# KiCad board armory.kicad_pcb (continued)
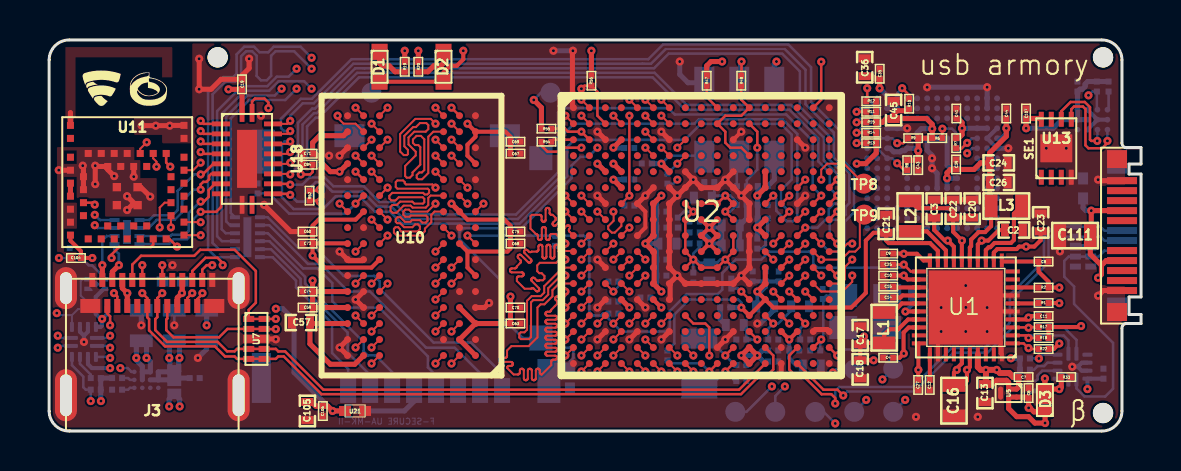
[diagram p0: board, top side]
## Routing (per net, layer and track width the routed paths; a pad name or vN(x,y) marks a point on that pad's centre or on a via; arc(x,y) is an arc through that point) (continued)
/DDR/DRAM_A2: length 34
  TOP w0.1: U2.K1 26.2,9.01 25.78,9.01 25.69,8.92 25.56,8.92 25.48,9 25.48,9.22 25.48,9.25 25.47,9.27 25.46,9.29 25.44,9.3 25.42,9.31 25.4,9.32 25.38,9.32 25.36,9.32 25.34,9.31 25.32,9.3 25.3,9.29 25.29,9.27 25.28,9.25 25.28,9.22 25.28,8.74 25.28,8.71 25.27,8.69 25.26,8.67 25.24,8.66 25.22,8.65 25.2,8.64 25.18,8.64 25.16,8.64 25.14,8.65 25.12,8.66 25.1,8.67 25.09,8.69 25.08,8.71 25.08,8.74 25.08,9.22 25.08,9.25 25.07,9.27 25.06,9.29 25.04,9.3 25.02,9.31 25,9.32 24.98,9.32 24.96,9.32 24.94,9.31 24.92,9.3 24.9,9.29 24.89,9.27 24.88,9.25 24.88,9.22 24.88,8.74 24.88,8.71 24.87,8.69 24.86,8.67 24.84,8.66 24.82,8.65 24.8,8.64 24.78,8.64 24.76,8.64 24.74,8.65 24.72,8.66 24.7,8.67 24.69,8.69 24.68,8.71 24.68,8.74 24.68,9.22 24.68,9.25 24.67,9.27 24.66,9.29 24.64,9.3 24.62,9.31 24.6,9.32 24.58,9.32 24.56,9.32 24.54,9.31 24.52,9.3 24.5,9.29 24.49,9.27 24.48,9.25 24.48,9.22 24.48,9.08 24.48,9.06 24.47,9.04 24.46,9.02 24.44,9 24.42,8.99 24.4,8.98 24.38,8.98 24.14,8.98 24.12,8.97 24.1,8.96 24.08,8.95 24.06,8.95 24.04,8.96 24.02,8.97 24,8.98 23.93,9.05 23.92,9.06 23.9,9.07 23.87,9.07 23.85,9.07 23.83,9.07 23.81,9.06 23.79,9.05 23.78,9.03 23.77,9.01 23.76,8.99 23.76,8.96 23.77,8.94 23.78,8.92 23.79,8.9 24.1,8.6 24.11,8.58 24.12,8.56 24.13,8.54 24.13,8.51 24.12,8.49 24.11,8.47 24.1,8.45 24.08,8.44 24.06,8.43 24.04,8.43 24.02,8.43 24,8.43 23.98,8.44 23.96,8.45 23.61,8.8 23.6,8.81 23.58,8.82 23.56,8.83 23.53,8.83 23.51,8.82 23.49,8.81 23.47,8.8 23.46,8.78 23.45,8.76 23.44,8.74 23.44,8.72 23.45,8.69 23.46,8.67 23.47,8.66 23.57,8.56 23.59,8.54 23.6,8.52 23.6,8.5 23.6,8.47 23.6,8.45 23.59,8.43 23.57,8.41 23.4,8.24 23.4,8.22 23.39,8.2 23.38,8.18 23.36,8.16 23.34,8.15 23.32,8.14 23.3,8.14 23.16,8.14 23.13,8.14 23.11,8.13 23.09,8.12 23.08,8.1 23.07,8.08 23.06,8.06 23.06,8.04 23.06,8.02 23.07,8 23.08,7.98 23.09,7.96 23.11,7.95 23.13,7.94 23.16,7.94 23.64,7.94 23.67,7.94 23.69,7.93 23.71,7.92 23.72,7.9 23.73,7.88 23.74,7.86 23.74,7.84 23.74,7.82 23.73,7.8 23.72,7.78 23.71,7.76 23.69,7.75 23.67,7.74 23.64,7.74 23.5,7.74 23.48,7.74 23.46,7.73 23.44,7.72 23.42,7.7 23.41,7.68 23.4,7.66 23.4,7.64 23.4,7.51 23.79,7.12 24.11,7.12 24.13,7.13 24.15,7.14 24.17,7.15 24.19,7.15 24.21,7.14 24.23,7.13 24.25,7.12 24.35,7.02 24.37,7.01 24.39,7 24.41,6.99 24.43,6.99 24.46,7 24.48,7.01 24.49,7.02 24.51,7.04 24.52,7.06 24.52,7.08 24.52,7.1 24.52,7.12 24.51,7.14 24.49,7.16 24.15,7.5 24.14,7.52 24.13,7.54 24.12,7.56 24.12,7.59 24.13,7.61 24.14,7.63 24.15,7.65 24.17,7.66 24.19,7.67 24.21,7.67 24.23,7.67 24.25,7.67 24.27,7.66 24.29,7.65 24.39,7.54 24.41,7.53 24.43,7.52 24.45,7.52 24.47,7.52 24.5,7.52 24.52,7.53 24.53,7.54 24.7,7.54 24.78,7.62 24.78,7.76 24.64,7.9 24.52,7.9 24.42,8 24.42,8.29 24.55,8.42 25.37,8.42 25.53,8.58 v1(25.83,8.58) ; v1(19.33,14.58) U10.P3
  SIGNAL_2 w0.1: v1(19.33,14.58) 19.48,14.43 19.48,14.25 19.38,14.15 19.2,14.15 19.13,14.08 19.05,14.08 18.93,14.2 18.93,14.63 18.98,14.68 18.98,14.91 18.93,14.96 18.81,14.96 18.73,14.88 18.73,14.08 18.63,13.98 18.46,13.98 18.41,14.03 18.41,14.12 18.52,14.23 18.52,15.31 18.71,15.5 18.86,15.5 18.97,15.39 18.97,15.24 19.26,14.95 19.48,14.95 19.73,14.7 19.73,14.46 20.01,14.18 20.27,14.18 20.55,13.9 20.55,13.6 20.77,13.38 21.39,13.38 21.58,13.19 22.38,13.19 23.64,11.93 23.64,11.02 24.19,10.46 24.19,10.46 25.04,9.61 25.55,9.61 25.72,9.78 26.82,9.78 27,9.6 27,9.14 26.84,8.98 U2.K1 v1(25.83,8.58)
/DDR/DRAM_A3: length 34
  TOP w0.1: v1(20.13,13.78) U10.N2 ; U2.M2 v1(26.63,6.98)
  SIGNAL_2 w0.1: v1(20.13,13.78) 19.72,13.37 19.22,13.37 19.01,13.58 18.99,13.58 18.97,13.57 18.95,13.56 18.93,13.54 18.92,13.52 18.91,13.5 18.91,13.48 18.91,13.31 18.91,13.29 18.9,13.27 18.89,13.25 18.87,13.24 18.85,13.22 18.83,13.22 18.81,13.21 18.79,13.22 18.77,13.22 18.75,13.24 18.73,13.25 18.72,13.27 18.71,13.29 18.71,13.31 18.71,13.48 18.71,13.5 18.7,13.52 18.69,13.54 18.67,13.56 18.65,13.57 18.63,13.58 18.61,13.58 18.2,13.58 18.2,13.57 18.19,13.56 18.19,13.55 18.19,13.54 18.19,13.53 18.2,13.52 18.21,13.5 18.21,13.49 18.22,13.48 18.22,13.47 18.21,13.46 18.21,13.45 18.2,13.44 18.13,13.37 18.12,13.36 18.11,13.36 18.1,13.35 18.09,13.35 18.08,13.36 18.07,13.36 18.05,13.37 18.04,13.38 18.03,13.38 18.02,13.38 18.01,13.38 18,13.37 17.99,13.37 17.69,13.07 17.69,13.06 17.69,13.05 17.7,13.04 17.71,13.03 17.72,13.02 17.73,13.02 17.75,13.02 17.76,13.01 17.77,13.01 17.78,13 17.79,12.99 17.79,12.98 17.79,12.97 17.79,12.87 17.79,12.86 17.79,12.85 17.78,12.84 17.77,12.83 17.76,12.82 17.75,12.82 17.73,12.82 17.72,12.81 17.71,12.81 17.7,12.8 17.69,12.79 17.69,12.78 17.69,12.77 17.69,12.76 17.69,12.75 17.7,12.74 17.71,12.73 17.72,12.72 17.73,12.72 17.75,12.72 17.76,12.71 17.77,12.71 17.78,12.7 17.79,12.69 17.79,12.68 17.79,12.67 17.79,12.57 17.79,12.56 17.79,12.55 17.78,12.54 17.77,12.53 17.76,12.52 17.75,12.52 17.73,12.52 17.72,12.51 17.71,12.51 17.7,12.5 17.69,12.49 17.69,12.48 17.69,12.47 17.69,12.12 17.18,11.61 15.82,11.61 15.71,11.5 15.71,11.27 15.82,11.16 16.14,11.16 16.33,11.35 17.25,11.35 17.69,10.91 17.69,10.88 17.7,10.86 17.71,10.84 17.73,10.83 17.75,10.82 17.77,10.81 17.79,10.81 17.99,10.81 18.01,10.8 18.03,10.8 18.05,10.78 18.07,10.77 18.08,10.75 18.09,10.73 18.09,10.71 18.09,10.68 18.08,10.66 18.07,10.64 18.05,10.63 18.03,10.62 18.01,10.61 17.99,10.61 17.79,10.61 17.77,10.6 17.75,10.6 17.73,10.58 17.71,10.57 17.7,10.55 17.69,10.53 17.69,10.51 17.69,10.18 17.86,10.01 17.88,10.01 17.9,10.02 17.92,10.03 17.94,10.05 17.95,10.07 17.96,10.09 17.96,10.11 17.96,10.21 17.96,10.23 17.97,10.25 17.98,10.27 18,10.29 18.02,10.3 18.04,10.31 18.06,10.31 18.08,10.31 18.1,10.3 18.12,10.29 18.14,10.27 18.15,10.25 18.16,10.23 18.16,10.21 18.16,10.11 18.16,10.09 18.17,10.07 18.18,10.05 18.2,10.03 18.22,10.02 18.24,10.01 18.26,10.01 18.7,10.01 18.72,10.03 18.73,10.05 18.73,10.07 18.73,10.09 18.73,10.11 18.72,10.13 18.7,10.15 18.56,10.29 18.55,10.31 18.54,10.33 18.53,10.35 18.53,10.37 18.54,10.4 18.55,10.42 18.56,10.43 18.58,10.45 18.6,10.46 18.62,10.46 18.64,10.46 18.66,10.46 18.68,10.45 18.7,10.43 18.84,10.29 18.86,10.28 18.88,10.27 18.9,10.26 18.92,10.26 18.95,10.27 18.97,10.28 18.98,10.29 19,10.31 19.01,10.33 19.01,10.35 19.01,10.37 19.01,10.4 19,10.42 18.98,10.43 18.84,10.58 18.83,10.59 18.82,10.61 18.81,10.64 18.81,10.66 18.82,10.68 18.83,10.7 18.84,10.72 18.86,10.73 18.88,10.74 18.9,10.75 18.92,10.75 18.95,10.74 18.97,10.73 18.98,10.72 19.13,10.58 19.14,10.56 19.16,10.55 19.19,10.55 19.21,10.55 19.23,10.55 19.25,10.56 19.27,10.58 19.44,10.75 20.28,10.75 20.53,11 20.53,11.63 20.41,11.75 20.29,11.75 20.09,11.95 20.09,12.31 20.35,12.57 21.05,12.57 21.24,12.38 22.06,12.38 22.81,11.63 22.81,9.26 22.36,8.81 22.36,8.63 22.43,8.56 23.41,8.56 23.68,8.29 23.68,6.86 23.83,6.71 24.13,6.71 24.6,7.18 25.51,7.18 25.71,7.38 26.84,7.38 27.02,7.56 27.02,7.79 27.2,7.97 27.44,7.97 27.6,7.81 27.6,7.59 26.99,6.98 v1(26.63,6.98)
/DDR/DRAM_A4: length 35.2
  TOP w0.1: v1(28.23,8.58) U2.K4 ; U10.P8 v1(16.13,14.58)
  SIGNAL_2 w0.1: v1(16.13,14.58) 15.11,14.58 14.07,15.62 14.07,17.55 14.91,18.39 29.67,18.39 30.03,18.03 30.03,17.46 29.39,16.82 29.39,13.36 29.39,13.34 29.4,13.32 29.41,13.3 29.43,13.28 29.45,13.27 29.47,13.26 29.49,13.26 29.59,13.26 29.61,13.26 29.63,13.25 29.65,13.24 29.67,13.22 29.68,13.2 29.69,13.18 29.69,13.16 29.69,13.14 29.68,13.12 29.67,13.1 29.65,13.08 29.63,13.07 29.61,13.06 29.59,13.06 29.19,13.06 29.17,13.06 29.15,13.05 29.13,13.04 29.11,13.02 29.1,13 29.09,12.98 29.09,12.96 29.09,12.94 29.1,12.92 29.11,12.9 29.13,12.88 29.15,12.87 29.17,12.86 29.19,12.86 29.59,12.86 29.61,12.86 29.63,12.85 29.65,12.84 29.67,12.82 29.68,12.8 29.69,12.78 29.69,12.76 29.69,12.74 29.68,12.72 29.67,12.7 29.65,12.68 29.63,12.67 29.61,12.66 29.59,12.66 29.19,12.66 29.17,12.66 29.15,12.65 29.13,12.64 29.11,12.62 29.1,12.6 29.09,12.58 29.09,12.56 29.09,12.54 29.1,12.52 29.11,12.5 29.13,12.48 29.15,12.47 29.17,12.46 29.19,12.46 29.59,12.46 29.61,12.46 29.63,12.45 29.65,12.44 29.67,12.42 29.68,12.4 29.69,12.38 29.69,12.36 29.69,12.34 29.68,12.32 29.67,12.3 29.65,12.28 29.63,12.27 29.61,12.26 29.59,12.26 29.29,12.26 29.27,12.26 29.25,12.25 29.23,12.24 29.21,12.22 29.2,12.2 29.19,12.18 29.19,12.16 29.19,12.14 29.2,12.12 29.21,12.1 29.23,12.08 29.25,12.07 29.27,12.06 29.29,12.06 29.44,12.06 29.45,12.06 29.46,12.06 29.47,12.05 29.48,12.04 29.49,12.03 29.49,12.02 29.49,12.01 29.49,11.91 29.49,11.9 29.49,11.89 29.48,11.88 29.47,11.87 29.46,11.86 29.45,11.86 29.43,11.86 29.42,11.86 29.41,11.85 29.4,11.84 29.39,11.83 29.39,11.82 29.39,11.81 29.39,10.03 28.67,9.31 28.67,9.02 v1(28.23,8.58)
/DDR/DRAM_A5: length 34
  TOP w0.1: v1(25.83,7.78) 25.6,7.78 24.97,7.15 24.97,6.83 24.69,6.55 24.22,6.55 24.11,6.44 24.11,4.7 24.01,4.6 23.6,4.6 23.52,4.68 23.52,4.87 23.59,4.94 23.78,4.94 23.91,5.07 23.91,6.52 24.14,6.75 24.59,6.75 24.77,6.93 24.77,7.25 25.7,8.18 U2.L1 26.2,8.15 ; U10.P2 v1(20.13,14.58)
  SIGNAL_2 w0.1: v1(25.83,7.78) U2.L1 26.79,8.18 27.03,8.42 27.03,8.72 27.21,8.9 27.21,9.72 26.93,10.01 24.96,10.01 23.88,11.09 23.88,11.98 22.59,13.27 22.59,14.72 22.58,14.74 22.56,14.76 22.54,14.77 22.52,14.78 22.5,14.78 22.48,14.78 22.46,14.77 22.44,14.76 22.42,14.74 22.41,14.72 22.4,14.7 22.4,14.68 22.4,13.68 22.4,13.66 22.39,13.64 22.38,13.62 22.36,13.6 22.34,13.59 22.32,13.58 22.3,13.58 22.28,13.58 22.26,13.59 22.24,13.6 22.22,13.62 22.21,13.64 22.2,13.66 22.2,13.68 22.2,14.68 22.2,14.7 22.19,14.72 22.18,14.74 22.16,14.76 22.14,14.77 22.12,14.78 22.1,14.78 22.08,14.78 22.06,14.77 22.04,14.76 22.02,14.74 22.01,14.72 22,14.7 22,14.68 22,13.68 22,13.66 21.99,13.64 21.98,13.62 21.96,13.6 21.94,13.59 21.92,13.58 21.9,13.58 21.88,13.58 21.86,13.59 21.84,13.6 21.82,13.62 21.81,13.64 21.8,13.66 21.8,13.68 21.8,14.68 21.8,14.7 21.79,14.72 21.78,14.74 21.76,14.76 21.74,14.77 21.72,14.78 21.7,14.78 21.68,14.78 21.66,14.77 21.64,14.76 21.62,14.74 21.61,14.72 21.6,14.7 21.6,14.68 21.6,13.68 21.6,13.66 21.59,13.64 21.58,13.62 21.56,13.6 21.54,13.59 21.52,13.58 21.5,13.58 21.48,13.58 21.46,13.59 21.44,13.6 21.42,13.62 21.41,13.64 21.4,13.66 21.4,13.68 21.4,14.68 21.4,14.7 21.39,14.72 21.38,14.74 21.36,14.76 21.34,14.77 21.32,14.78 21.3,14.78 21.28,14.78 21.26,14.77 21.24,14.76 21.22,14.74 21.21,14.72 21.2,14.7 21.2,14.68 21.2,13.73 21.2,13.71 21.19,13.69 21.18,13.67 21.16,13.65 21.14,13.64 21.12,13.63 21.1,13.63 21.08,13.63 21.06,13.64 21.04,13.65 21.02,13.67 21.01,13.69 21,13.71 21,13.73 21,14.68 21,14.7 20.99,14.72 20.98,14.74 20.96,14.76 20.94,14.77 20.92,14.78 20.9,14.78 20.88,14.78 20.86,14.77 20.84,14.76 20.82,14.74 20.81,14.72 20.8,14.7 20.8,14.68 20.8,14.18 20.8,14.16 20.79,14.14 20.78,14.12 20.76,14.1 20.74,14.09 20.72,14.08 20.7,14.08 20.68,14.08 20.66,14.09 20.64,14.1 20.62,14.12 20.61,14.14 20.6,14.16 20.6,14.18 20.6,14.48 20.6,14.5 20.59,14.52 20.58,14.54 20.56,14.56 20.54,14.57 20.52,14.58 20.5,14.58 v1(20.13,14.58)
/DDR/DRAM_A6: length 35.9
  TOP w0.1: v1(14.43,15.78) 14.43,15.68 14.73,15.38 15.33,15.38 U10.R8 ; v1(26.63,11.78) U2.G2
  SIGNAL_2 w0.1: v1(14.43,15.78) 14.43,15.68 14.73,15.38 15.33,15.38 15.71,15 16.27,15 16.49,15.22 16.49,15.56 16.03,16.02 16.03,16.54 15.78,16.79 15.36,16.79 15.19,16.96 15.19,17.6 15.38,17.79 25.45,17.79 25.47,17.79 25.49,17.78 25.51,17.77 25.53,17.75 25.54,17.73 25.55,17.71 25.55,17.69 25.55,17.59 25.55,17.57 25.56,17.55 25.57,17.53 25.59,17.51 25.61,17.5 25.63,17.49 25.65,17.49 25.67,17.49 25.69,17.5 25.71,17.51 25.73,17.53 25.74,17.55 25.75,17.57 25.75,17.59 25.75,17.69 25.75,17.71 25.76,17.73 25.77,17.75 25.79,17.77 25.81,17.78 25.83,17.79 25.85,17.79 25.87,17.79 25.89,17.78 25.91,17.77 25.93,17.75 25.94,17.73 25.95,17.71 25.95,17.69 25.95,17.59 25.95,17.57 25.96,17.55 25.97,17.53 25.99,17.51 26.01,17.5 26.03,17.49 26.05,17.49 26.07,17.49 26.09,17.5 26.11,17.51 26.13,17.53 26.14,17.55 26.15,17.57 26.15,17.59 26.15,17.69 26.15,17.71 26.16,17.73 26.17,17.75 26.19,17.77 26.21,17.78 26.23,17.79 26.25,17.79 26.27,17.79 26.29,17.78 26.31,17.77 26.33,17.75 26.34,17.73 26.35,17.71 26.35,17.69 26.35,17.59 26.35,17.57 26.36,17.55 26.37,17.53 26.39,17.51 26.41,17.5 26.43,17.49 26.45,17.49 26.47,17.49 26.49,17.5 26.51,17.51 26.53,17.53 26.54,17.55 26.55,17.57 26.55,17.59 26.55,17.69 26.55,17.71 26.56,17.73 26.57,17.75 26.59,17.77 26.61,17.78 26.63,17.79 26.65,17.79 26.67,17.79 26.69,17.78 26.71,17.77 26.73,17.75 26.74,17.73 26.75,17.71 26.75,17.69 26.75,17.59 26.75,17.57 26.76,17.55 26.77,17.53 26.79,17.51 26.81,17.5 26.83,17.49 26.85,17.49 26.87,17.49 26.89,17.5 26.91,17.51 26.93,17.53 26.94,17.55 26.95,17.57 26.95,17.59 26.95,17.69 26.95,17.71 26.96,17.73 26.97,17.75 26.99,17.77 27.01,17.78 27.03,17.79 27.05,17.79 27.07,17.79 27.09,17.78 27.11,17.77 27.13,17.75 27.14,17.73 27.15,17.71 27.15,17.69 27.15,17.59 27.15,17.57 27.16,17.55 27.17,17.53 27.19,17.51 27.21,17.5 27.23,17.49 27.25,17.49 27.27,17.49 27.29,17.5 27.31,17.51 27.33,17.53 27.34,17.55 27.35,17.57 27.35,17.59 27.35,17.69 27.35,17.71 27.36,17.73 27.37,17.75 27.39,17.77 27.41,17.78 27.43,17.79 27.45,17.79 27.47,17.79 27.49,17.78 27.51,17.77 27.53,17.75 27.54,17.73 27.55,17.71 27.55,17.69 27.55,17.59 27.55,17.57 27.56,17.55 27.57,17.53 27.59,17.51 27.61,17.5 27.63,17.49 27.65,17.49 27.67,17.49 27.69,17.5 27.71,17.51 27.73,17.53 27.74,17.55 27.75,17.57 27.75,17.59 27.75,17.69 27.75,17.71 27.76,17.73 27.77,17.75 27.79,17.77 27.81,17.78 27.83,17.79 27.85,17.79 27.9,17.79 27.92,17.79 27.93,17.78 27.95,17.77 27.96,17.76 27.97,17.75 27.97,17.73 27.98,17.7 27.98,17.68 27.99,17.67 28,17.66 28.02,17.65 28.03,17.64 28.05,17.64 28.1,17.64 28.12,17.64 28.13,17.65 28.15,17.66 28.16,17.67 28.17,17.68 28.17,17.7 28.18,17.73 28.18,17.75 28.19,17.76 28.2,17.77 28.22,17.78 28.23,17.79 28.25,17.79 28.37,17.67 28.37,17.29 28.31,17.23 28.3,17.22 28.28,17.21 28.25,17.21 28.23,17.21 28.21,17.21 28.19,17.22 28.17,17.23 28.1,17.3 28.08,17.32 28.06,17.33 28.04,17.33 28.02,17.33 28,17.33 27.98,17.32 27.96,17.3 27.95,17.29 27.94,17.27 27.93,17.25 27.93,17.22 27.94,17.2 27.95,17.18 27.96,17.16 28.21,16.92 28.22,16.9 28.23,16.88 28.24,16.86 28.24,16.83 28.23,16.81 28.22,16.79 28.21,16.77 28.19,16.76 28.17,16.75 28.15,16.75 28.13,16.75 28.1,16.75 28.08,16.76 28.07,16.77 28.03,16.81 28.01,16.82 27.99,16.83 27.97,16.84 27.95,16.84 27.93,16.83 27.91,16.82 27.89,16.81 27.44,16.81 27.4,16.77 27.38,16.75 27.36,16.74 27.34,16.74 27.31,16.74 27.29,16.74 27.27,16.75 27.26,16.77 27.18,16.84 27.17,16.85 27.15,16.86 27.12,16.87 27.1,16.87 27.08,16.86 27.06,16.85 27.04,16.84 27.03,16.82 27.02,16.8 27.01,16.78 27.01,16.76 27.02,16.73 27.03,16.71 27.04,16.7 27.24,16.5 27.25,16.49 27.26,16.47 27.26,16.46 27.26,16.44 27.26,16.42 27.25,16.41 27.24,16.4 27.2,16.36 27.19,16.35 27.17,16.34 27.16,16.34 27.14,16.34 27.12,16.34 27.11,16.35 27.08,16.37 27.07,16.38 27.05,16.38 27.03,16.38 27.02,16.38 27,16.37 26.99,16.36 26.99,15.72 26.99,15.7 26.99,15.69 27,15.68 27.01,15.68 27.02,15.67 27.03,15.67 27.05,15.66 27.06,15.66 27.07,15.65 27.08,15.65 27.09,15.64 27.09,15.63 27.09,15.61 27.09,15.52 27.09,15.5 27.09,15.49 27.08,15.48 27.07,15.48 27.06,15.47 27.05,15.47 27.04,15.47 26.89,15.47 26.87,15.46 26.85,15.46 26.83,15.44 26.81,15.43 26.8,15.41 26.79,15.39 26.79,15.36 26.79,15.34 26.8,15.32 26.81,15.3 26.83,15.29 26.85,15.27 26.87,15.27 26.89,15.27 27.04,15.27 27.05,15.26 27.06,15.26 27.07,15.25 27.08,15.25 27.09,15.24 27.09,15.23 27.09,15.22 27.09,15.11 27.09,15.1 27.09,15.09 27.08,15.08 27.07,15.08 27.06,15.07 27.05,15.07 27.03,15.06 27.02,15.06 27.01,15.05 27,15.05 26.99,15.04 26.99,15.03 26.99,15.02 26.99,14.86 26.99,14.85 27,14.83 27.01,14.82 27.02,14.81 27.03,14.8 27.05,14.79 27.08,14.79 27.1,14.78 27.11,14.77 27.12,14.76 27.13,14.75 27.14,14.73 27.14,14.72 27.14,14.66 27.14,14.65 27.13,14.63 27.12,14.62 27.11,14.61 27.1,14.6 27.08,14.59 27.06,14.59 26.94,14.59 26.93,14.59 26.92,14.59 26.91,14.58 26.9,14.57 26.89,14.56 26.89,14.55 26.89,14.54 26.89,14.44 26.89,14.43 26.89,14.42 26.9,14.41 26.91,14.4 26.92,14.39 26.93,14.39 26.95,14.39 26.96,14.39 26.97,14.38 26.98,14.37 26.99,14.36 26.99,14.35 26.99,14.34 26.99,13.94 26.99,13.92 26.98,13.9 26.97,13.88 26.95,13.86 26.93,13.85 26.91,13.84 26.89,13.84 26.79,13.84 26.77,13.84 26.75,13.83 26.73,13.82 26.71,13.8 26.7,13.78 26.69,13.76 26.69,13.74 26.69,13.72 26.7,13.7 26.71,13.68 26.73,13.66 26.75,13.65 26.77,13.64 26.79,13.64 27.04,13.64 27.05,13.64 27.06,13.64 27.07,13.63 27.08,13.62 27.09,13.61 27.09,13.6 27.09,13.59 27.09,13.49 27.09,13.48 27.09,13.47 27.08,13.46 27.07,13.45 27.06,13.44 27.05,13.44 27.03,13.44 27.02,13.44 27.01,13.43 27,13.42 26.99,13.41 26.99,13.4 26.99,13.37 26.98,13.35 26.97,13.33 26.95,13.31 26.93,13.3 26.91,13.29 26.89,13.29 26.79,13.29 26.77,13.29 26.75,13.28 26.73,13.27 26.71,13.25 26.7,13.23 26.69,13.21 26.69,13.19 26.69,13.17 26.7,13.15 26.71,13.13 26.73,13.11 26.75,13.1 26.77,13.09 26.79,13.09 27.19,13.09 27.21,13.09 27.23,13.08 27.25,13.07 27.27,13.05 27.28,13.03 27.29,13.01 27.29,12.99 27.29,12.97 27.28,12.95 27.27,12.93 27.25,12.91 27.23,12.9 27.21,12.89 27.19,12.89 26.79,12.89 26.77,12.89 26.75,12.88 26.73,12.87 26.71,12.85 26.7,12.83 26.69,12.81 26.69,12.79 26.69,12.77 26.7,12.75 26.71,12.73 26.73,12.71 26.75,12.7 26.77,12.69 26.79,12.69 27.19,12.69 27.21,12.69 27.23,12.68 27.25,12.67 27.27,12.65 27.28,12.63 27.29,12.61 27.29,12.59 27.29,12.57 27.28,12.55 27.27,12.53 27.25,12.51 27.23,12.5 27.21,12.49 27.19,12.49 27.09,12.49 27.07,12.49 27.05,12.48 27.03,12.47 27.01,12.45 27,12.43 26.99,12.41 26.99,12.39 26.99,12.14 v1(26.63,11.78)
/DDR/DRAM_A7: length 34
  TOP w0.1: v1(28.23,10.98) 28.24,10.97 28.24,10.52 27.97,10.25 27.97,10.11 28.15,9.93 28.3,9.93 28.63,10.26 U2.H4 ; v1(20.13,15.38) U10.R2
  SIGNAL_2 w0.1: v1(20.13,15.38) 20.51,15.76 20.91,15.76 20.93,15.76 20.95,15.77 20.97,15.78 20.99,15.8 21,15.82 21.01,15.84 21.01,15.86 21.01,16.26 21.01,16.28 21.02,16.3 21.03,16.32 21.05,16.34 21.07,16.35 21.09,16.36 21.11,16.36 21.13,16.36 21.15,16.35 21.17,16.34 21.19,16.32 21.2,16.3 21.21,16.28 21.21,16.26 21.21,15.66 21.21,15.64 21.22,15.62 21.23,15.6 21.25,15.58 21.27,15.57 21.29,15.56 21.31,15.56 21.33,15.56 21.35,15.57 21.37,15.58 21.39,15.6 21.4,15.62 21.41,15.64 21.41,15.66 21.41,16.26 21.41,16.28 21.42,16.3 21.43,16.32 21.45,16.34 21.47,16.35 21.49,16.36 21.51,16.36 21.53,16.36 21.55,16.35 21.57,16.34 21.59,16.32 21.6,16.3 21.61,16.28 21.61,16.26 21.61,15.31 21.61,15.29 21.62,15.27 21.63,15.25 21.65,15.23 21.67,15.22 21.69,15.21 21.71,15.21 21.73,15.21 21.75,15.22 21.77,15.23 21.79,15.25 21.8,15.27 21.81,15.29 21.81,15.31 21.81,16.26 21.81,16.28 21.82,16.3 21.83,16.32 21.85,16.34 21.87,16.35 21.89,16.36 21.91,16.36 21.93,16.36 21.95,16.35 21.97,16.34 21.99,16.32 22,16.3 22.01,16.28 22.01,16.26 22.01,16.06 22.01,16.04 22.02,16.02 22.03,16 22.05,15.98 22.07,15.97 22.09,15.96 22.11,15.96 22.35,15.96 22.36,15.94 22.37,15.92 22.38,15.9 22.38,15.88 22.37,15.86 22.36,15.84 22.35,15.82 22.07,15.54 22.05,15.52 22.04,15.5 22.04,15.48 22.04,15.45 22.04,15.43 22.05,15.41 22.07,15.39 22.08,15.38 22.1,15.37 22.13,15.37 22.15,15.37 22.17,15.37 22.19,15.38 22.21,15.39 22.7,15.89 22.72,15.9 22.74,15.91 22.76,15.92 22.79,15.92 22.81,15.91 22.83,15.9 22.84,15.89 22.86,15.87 22.87,15.85 22.87,15.83 22.87,15.81 22.87,15.79 22.86,15.77 22.84,15.75 22.46,15.36 22.44,15.34 22.43,15.32 22.43,15.3 22.43,15.28 22.43,15.26 22.44,15.24 22.46,15.22 22.47,15.2 22.49,15.19 22.52,15.19 22.54,15.19 22.56,15.19 22.58,15.2 22.6,15.22 22.99,15.61 23,15.62 23.02,15.63 23.05,15.64 23.07,15.64 23.09,15.63 23.11,15.62 23.13,15.61 23.14,15.59 23.15,15.57 23.16,15.55 23.16,15.52 23.15,15.5 23.14,15.48 23.13,15.47 22.88,15.22 22.87,15.2 22.86,15.18 22.85,15.16 22.85,15.14 22.86,15.11 22.87,15.09 22.88,15.08 22.9,15.06 22.92,15.05 22.94,15.05 22.96,15.05 22.98,15.05 23,15.06 23.02,15.08 23.27,15.32 23.29,15.34 23.31,15.35 23.33,15.35 23.35,15.35 23.37,15.35 23.39,15.34 23.41,15.32 23.42,15.31 23.43,15.29 23.44,15.26 23.44,15.24 23.43,15.22 23.42,15.2 23.41,15.18 23.34,15.11 23.33,15.09 23.32,15.07 23.31,15.05 23.31,15.03 23.32,15.01 23.33,14.99 23.34,14.97 23.49,14.82 23.49,14.8 23.48,14.78 23.47,14.76 23.45,14.74 23.43,14.73 23.41,14.72 23.39,14.72 23.24,14.72 23.22,14.72 23.2,14.71 23.18,14.7 23.16,14.68 23.15,14.66 23.14,14.64 23.14,14.62 23.14,14.6 23.15,14.58 23.16,14.56 23.18,14.54 23.2,14.53 23.22,14.52 23.24,14.52 23.79,14.52 23.81,14.52 23.83,14.51 23.85,14.5 23.87,14.48 23.88,14.46 23.89,14.44 23.89,14.42 23.89,14.4 23.88,14.38 23.87,14.36 23.85,14.34 23.83,14.33 23.81,14.32 23.79,14.32 23.24,14.32 23.22,14.32 23.2,14.31 23.18,14.3 23.16,14.28 23.15,14.26 23.14,14.24 23.14,14.22 23.14,14.2 23.15,14.18 23.16,14.16 23.18,14.14 23.2,14.13 23.22,14.12 23.24,14.12 23.79,14.12 23.81,14.12 23.83,14.11 23.85,14.1 23.87,14.08 23.88,14.06 23.89,14.04 23.89,14.02 23.89,14 23.88,13.98 23.87,13.96 23.85,13.94 23.83,13.93 23.81,13.92 23.79,13.92 23.24,13.92 23.22,13.92 23.2,13.91 23.18,13.9 23.16,13.88 23.15,13.86 23.14,13.84 23.14,13.82 23.14,13.8 23.15,13.78 23.16,13.76 23.18,13.74 23.2,13.73 23.22,13.72 23.24,13.72 23.39,13.72 23.41,13.72 23.43,13.71 23.45,13.7 23.47,13.68 23.48,13.66 23.49,13.64 23.49,13.62 23.49,13.35 23.5,13.33 23.51,13.31 23.52,13.29 23.52,13.27 23.51,13.25 23.5,13.23 23.49,13.21 23.45,13.17 23.44,13.16 23.43,13.14 23.43,13.11 23.43,13.09 23.43,13.07 23.44,13.05 23.45,13.03 23.47,13.02 23.49,13.01 23.51,13 23.54,13 23.56,13.01 23.58,13.02 23.6,13.03 23.84,13.28 23.86,13.29 23.88,13.3 23.9,13.31 23.93,13.31 23.95,13.3 23.97,13.29 23.98,13.28 24,13.26 24.01,13.24 24.01,13.22 24.01,13.2 24.01,13.18 24,13.16 23.98,13.14 23.74,12.89 23.72,12.87 23.71,12.85 23.71,12.83 23.71,12.81 23.71,12.79 23.72,12.77 23.74,12.75 23.75,12.74 23.78,12.73 23.8,12.72 23.82,12.72 23.84,12.73 23.86,12.74 23.88,12.75 24.13,13 24.14,13.01 24.16,13.02 24.19,13.03 24.21,13.03 24.23,13.02 24.25,13.01 24.27,13 24.28,12.98 24.29,12.96 24.3,12.94 24.3,12.91 24.29,12.89 24.28,12.87 24.27,12.86 24.02,12.61 24.01,12.59 24,12.57 23.99,12.55 23.99,12.53 24,12.5 24.01,12.48 24.02,12.47 24.04,12.45 24.06,12.44 24.08,12.44 24.1,12.44 24.12,12.44 24.14,12.45 24.16,12.47 24.2,12.5 24.21,12.52 24.23,12.53 24.26,12.53 24.28,12.53 24.3,12.53 24.32,12.52 24.34,12.5 24.55,12.29 24.55,12.27 24.54,12.25 24.53,12.23 24.51,12.21 24.49,12.2 24.47,12.19 24.43,12.19 24.41,12.18 24.39,12.17 24.37,12.15 24.36,12.13 24.35,12.11 24.35,12.09 24.35,12.07 24.36,12.05 24.37,12.03 24.39,12.01 24.41,12 24.43,11.99 24.45,11.99 24.62,11.99 24.64,11.99 24.66,11.98 24.67,11.97 24.68,11.96 24.69,11.95 24.7,11.93 24.7,11.91 24.7,11.86 24.7,11.85 24.69,11.83 24.68,11.82 24.67,11.81 24.66,11.8 24.64,11.79 24.62,11.79 24.45,11.79 24.43,11.79 24.41,11.78 24.39,11.77 24.37,11.75 24.36,11.73 24.35,11.71 24.35,11.69 24.35,11.67 24.36,11.65 24.37,11.63 24.39,11.61 24.41,11.6 24.43,11.59 24.45,11.59 24.62,11.59 24.64,11.59 24.66,11.58 24.67,11.57 24.68,11.56 24.69,11.55 24.7,11.53 24.7,11.52 24.7,11.47 24.7,11.45 24.69,11.43 24.68,11.42 24.67,11.41 24.66,11.4 24.64,11.39 24.61,11.39 24.59,11.38 24.58,11.37 24.57,11.36 24.56,11.35 24.55,11.33 24.55,11.31 24.55,11.22 25.36,10.41 27.19,10.41 27.45,10.15 27.51,10.15 27.58,10.22 27.58,10.35 27.47,10.46 27.47,10.55 27.58,10.66 27.73,10.66 27.83,10.56 27.83,9.87 27.63,9.67 27.63,9.18 27.92,8.89 28.04,8.89 28.08,8.93 28.08,9.03 27.87,9.24 27.87,9.53 28.03,9.69 28.03,10.78 v1(28.23,10.98)
/DDR/DRAM_A8: length 34
  TOP w0.1: U2.J4 v1(29.03,10.18) ; v1(15.33,16.18) U10.T8
  SIGNAL_2 w0.1: v1(15.33,16.18) 15.33,15.84 15.24,15.75 14.94,15.75 14.79,15.9 14.79,17.98 15,18.19 29.58,18.19 29.81,17.96 29.81,17.52 29.35,17.06 28.89,17.06 28.66,16.83 28.66,15.59 28.66,15.57 28.67,15.55 28.68,15.53 28.7,15.51 28.72,15.5 28.74,15.49 28.78,15.49 28.8,15.48 28.82,15.47 28.84,15.45 28.85,15.43 28.86,15.41 28.86,15.39 28.86,15.37 28.85,15.35 28.84,15.33 28.82,15.31 28.8,15.3 28.78,15.29 28.76,15.29 28.41,15.29 28.39,15.29 28.37,15.28 28.35,15.27 28.33,15.25 28.32,15.23 28.31,15.21 28.31,15.19 28.31,15.17 28.32,15.15 28.33,15.13 28.35,15.11 28.37,15.1 28.39,15.09 28.41,15.09 28.91,15.09 28.93,15.09 28.95,15.08 28.97,15.07 28.99,15.05 29,15.03 29.01,15.01 29.01,14.99 29.01,14.97 29,14.95 28.99,14.93 28.97,14.91 28.95,14.9 28.93,14.89 28.91,14.89 28.41,14.89 28.39,14.89 28.37,14.88 28.35,14.87 28.33,14.85 28.32,14.83 28.31,14.81 28.31,14.79 28.31,14.77 28.32,14.75 28.33,14.73 28.35,14.71 28.37,14.7 28.39,14.69 28.41,14.69 28.91,14.69 28.93,14.69 28.95,14.68 28.97,14.67 28.99,14.65 29,14.63 29.01,14.61 29.01,14.59 29.01,14.57 29,14.55 28.99,14.53 28.97,14.51 28.95,14.5 28.93,14.49 28.91,14.49 28.61,14.49 28.6,14.49 28.59,14.49 28.58,14.48 28.57,14.47 28.56,14.46 28.56,14.45 28.56,14.44 28.56,14.34 28.56,14.33 28.56,14.32 28.57,14.31 28.58,14.3 28.59,14.29 28.6,14.29 28.61,14.29 28.91,14.29 28.93,14.29 28.95,14.28 28.97,14.27 28.99,14.25 29,14.23 29.01,14.21 29.01,14.19 29.01,14.17 29,14.15 28.99,14.13 28.97,14.11 28.95,14.1 28.93,14.09 28.91,14.09 28.61,14.09 28.6,14.09 28.59,14.09 28.58,14.08 28.57,14.07 28.56,14.06 28.56,14.05 28.56,14.04 28.56,13.94 28.56,13.93 28.56,13.92 28.57,13.91 28.58,13.9 28.59,13.89 28.6,13.89 28.61,13.89 28.91,13.89 28.93,13.89 28.95,13.88 28.97,13.87 28.99,13.85 29,13.83 29.01,13.81 29.01,13.79 29.01,13.77 29,13.75 28.99,13.73 28.97,13.71 28.95,13.7 28.93,13.69 28.91,13.69 28.61,13.69 28.6,13.69 28.59,13.69 28.58,13.68 28.57,13.67 28.56,13.66 28.56,13.65 28.56,13.64 28.56,13.54 28.56,13.53 28.56,13.52 28.57,13.51 28.58,13.5 28.59,13.49 28.6,13.49 28.61,13.49 28.91,13.49 28.93,13.49 28.95,13.48 28.97,13.47 28.99,13.45 29,13.43 29.01,13.41 29.01,13.39 29.01,13.37 29,13.35 28.99,13.33 28.97,13.31 28.95,13.3 28.93,13.29 28.91,13.29 28.61,13.29 28.6,13.29 28.59,13.29 28.58,13.28 28.57,13.27 28.56,13.26 28.56,13.25 28.56,13.24 28.56,13.14 28.56,13.13 28.56,13.12 28.57,13.11 28.58,13.1 28.59,13.09 28.6,13.09 28.61,13.09 28.76,13.09 28.78,13.09 28.8,13.08 28.82,13.07 28.84,13.05 28.85,13.03 28.86,13.01 28.86,12.99 28.86,12.97 28.85,12.95 28.84,12.93 28.82,12.91 28.8,12.9 28.78,12.89 28.76,12.89 28.61,12.89 28.6,12.89 28.59,12.89 28.58,12.88 28.57,12.87 28.56,12.86 28.56,12.85 28.56,12.84 28.56,12.74 28.56,12.73 28.56,12.72 28.57,12.71 28.58,12.7 28.59,12.69 28.6,12.69 28.61,12.69 28.76,12.69 28.78,12.69 28.8,12.68 28.82,12.67 28.84,12.65 28.85,12.63 28.86,12.61 28.86,12.59 28.86,12.57 28.85,12.55 28.84,12.53 28.82,12.51 28.8,12.5 28.78,12.49 28.74,12.49 28.72,12.48 28.7,12.47 28.68,12.45 28.67,12.43 28.66,12.41 28.66,12.39 28.66,11.6 29.03,11.23 v1(29.03,10.18)